# KiCad board final-memory.kicad_pcb
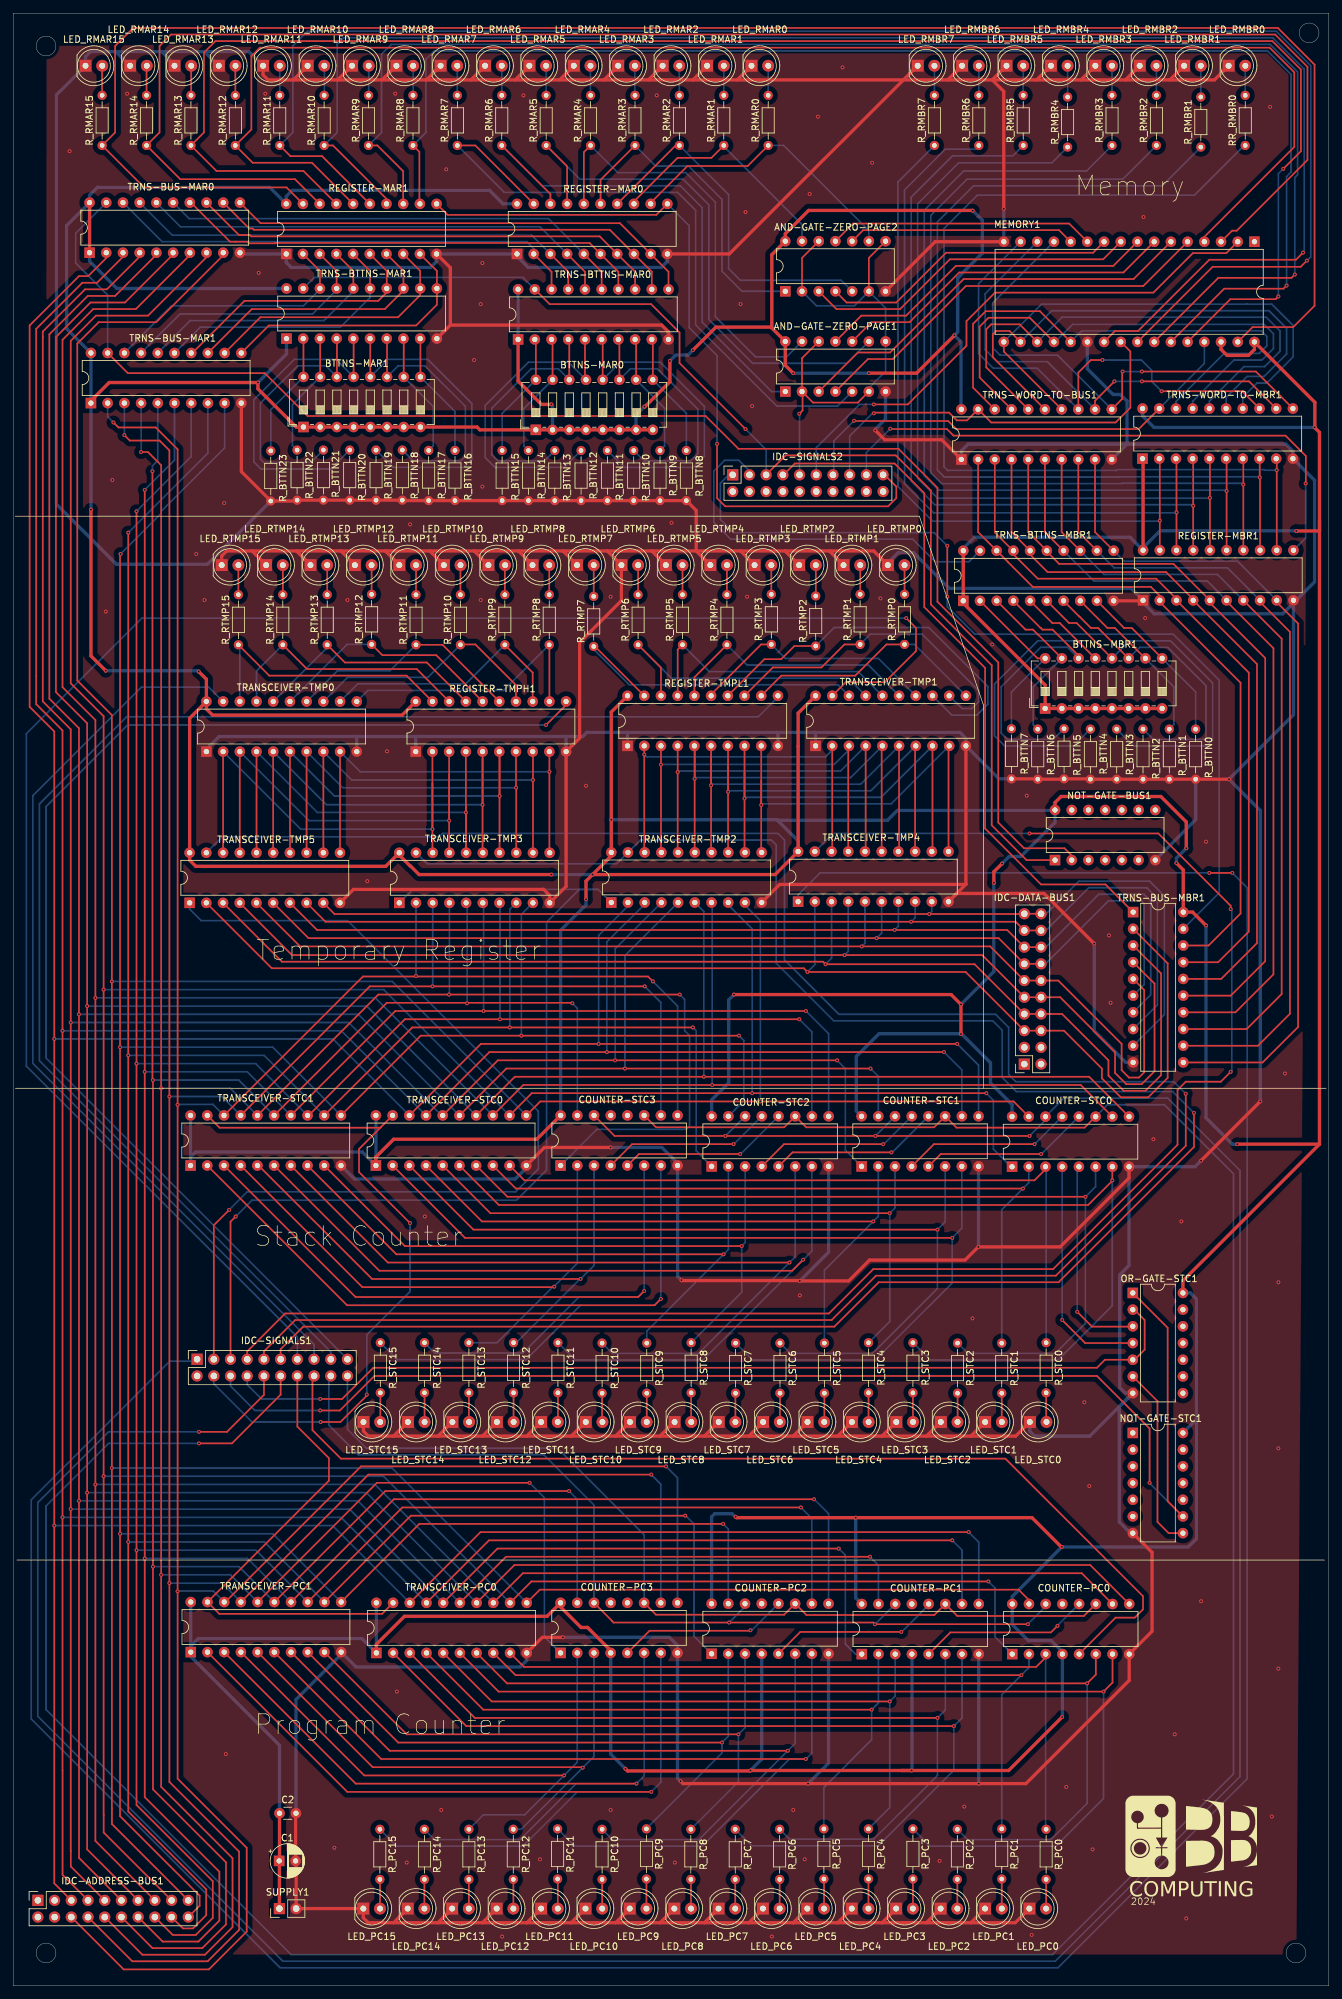
[diagram p0: board, top side]
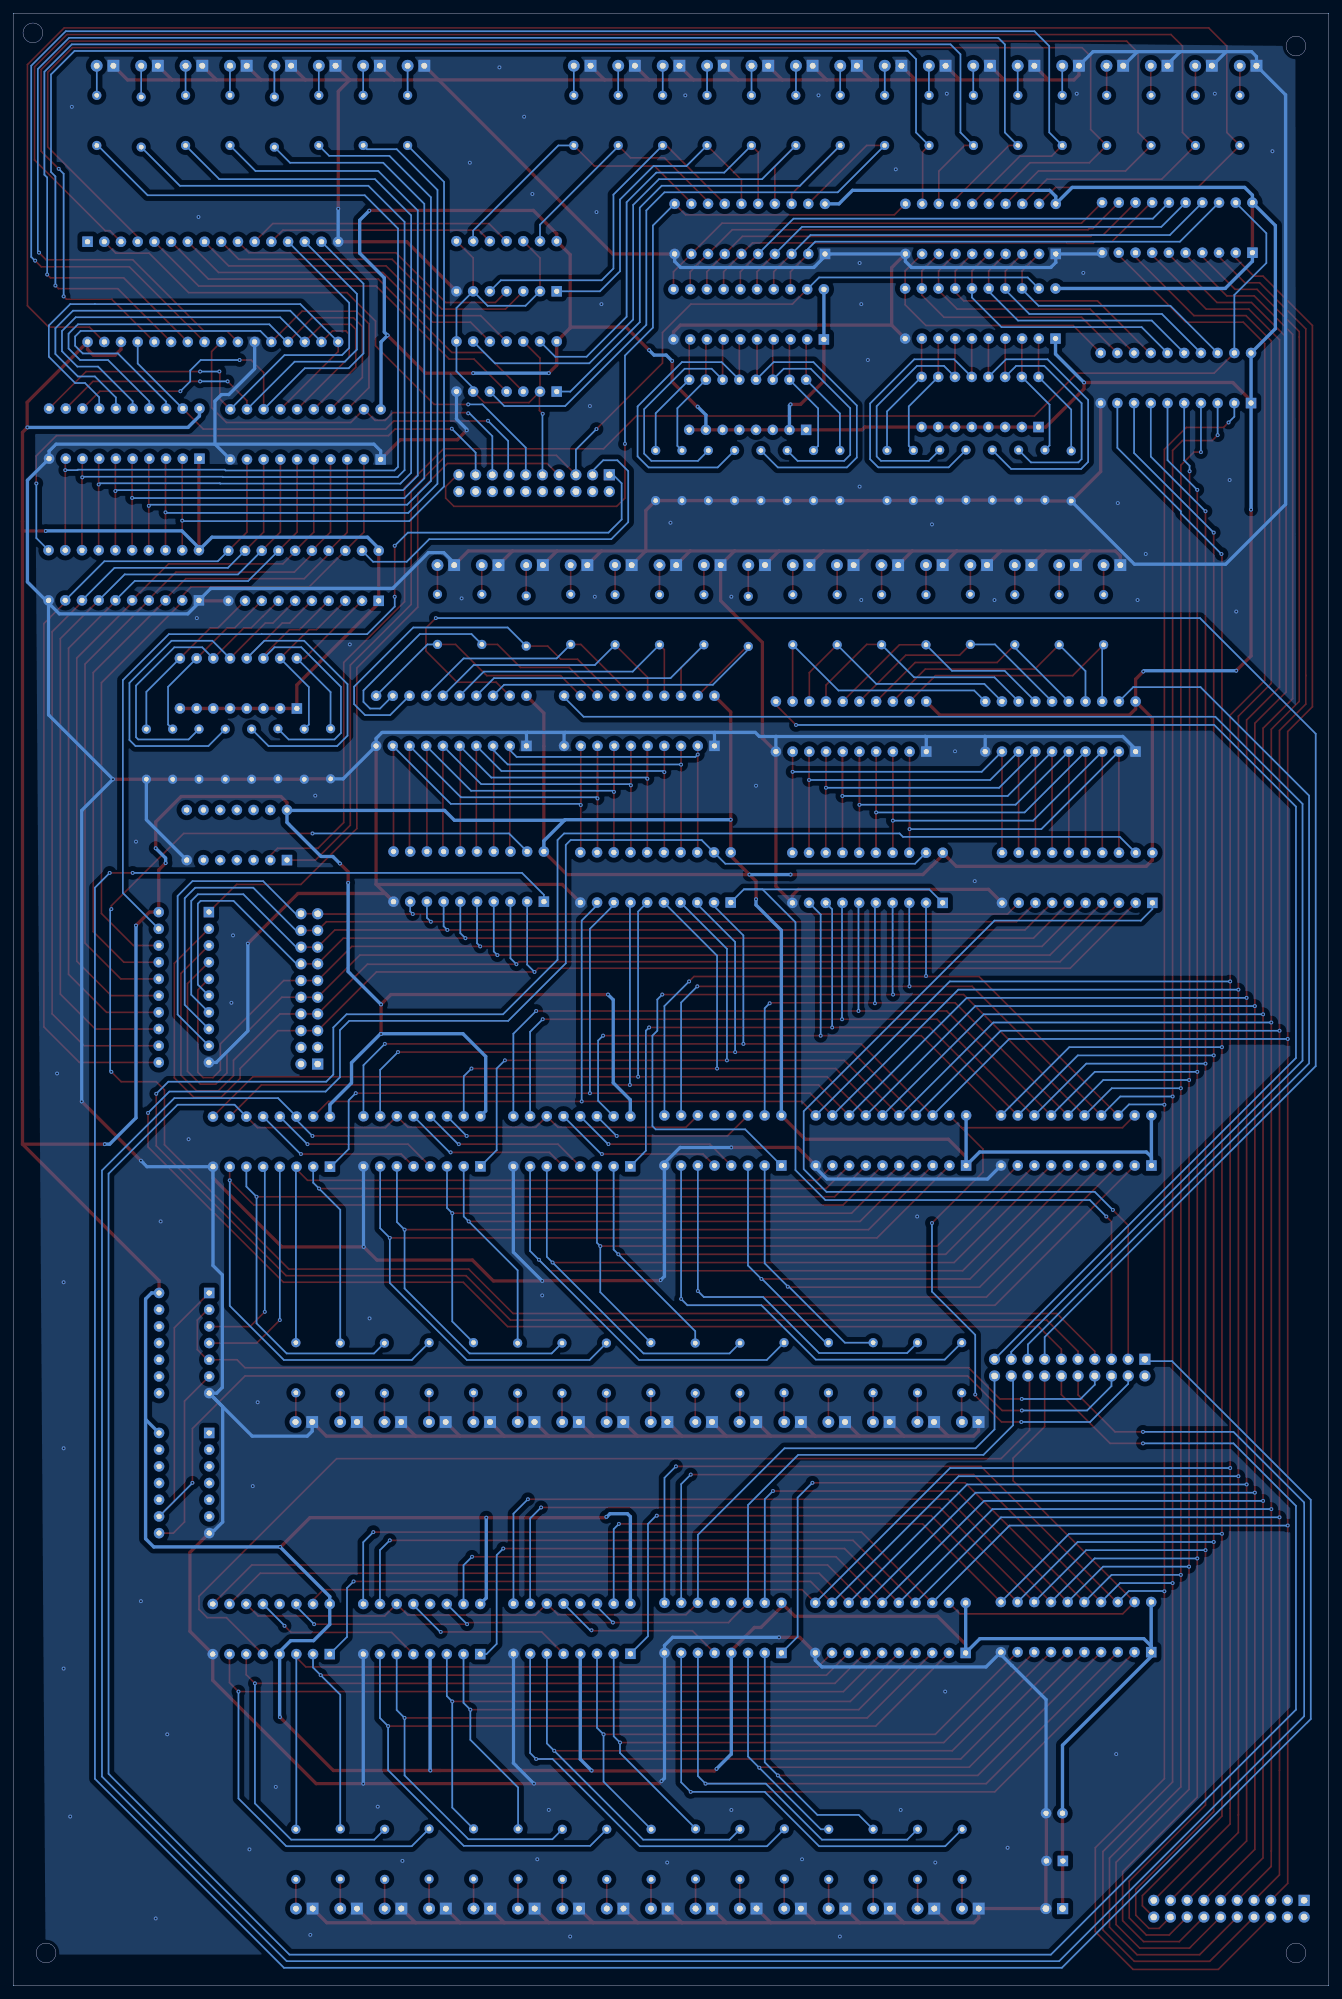
[diagram p1: board, bottom side, seen from below]

Outline 200 x 300 mm; copper layers: Top, Bottom. Coordinates in mm from the lower left corner of the outline.
Outline path: rectangle 0,300 200,0 ; circle c5,295 r1.5 ; circle c5,5 r1.5 ; circle c195,5 r1.5 ; circle c197,297 r1.5
Stack: Top 0.035mm / dielectric 1.51mm FR4 er 4.5 / Bottom 0.035mm

## Placement (name value [footprint] x y rotation side)
AND-GATE-ZERO-PAGE1  CD4081BEE4  [DIP-14_W7.62mm]  117.38 242.45 90 top
AND-GATE-ZERO-PAGE2  CD4081BEE4  [DIP-14_W7.62mm]  117.38 257.7 90 top
BTTNS-MAR0  SW_DIP_x08  [SW_DIP_SPSTx08_Slide_6.7x21.88mm_W7.62mm_P2.54mm_LowProfile]  79.46 236.63 90 top
BTTNS-MAR1  SW_DIP_x08  [SW_DIP_SPSTx08_Slide_6.7x21.88mm_W7.62mm_P2.54mm_LowProfile]  44.13 237.06 90 top
BTTNS-MBR1  SW_DIP_x08  [SW_DIP_SPSTx08_Slide_6.7x21.88mm_W7.62mm_P2.54mm_LowProfile]  156.88 194.26 90 top
C1  C_Polarized_US  [CP_Radial_D5.0mm_P2.50mm]  40.44 19 0 top
C2  C  [C_Disc_D3.0mm_W1.6mm_P2.50mm]  40.49 26.25 0 top
COUNTER-PC0  CD74HC193E  [DIP-16_W7.62mm]  151.88 50.45 90 top
COUNTER-PC1  CD74HC193E  [DIP-16_W7.62mm]  129 50.45 90 top
COUNTER-PC2  CD74HC193E  [DIP-16_W7.62mm]  106.17 50.5 90 top
COUNTER-PC3  CD74HC193E  [DIP-16_W7.62mm]  83.21 50.63 90 top
COUNTER-STC0  CD74HC193E  [DIP-16_W7.62mm]  151.84 124.57 90 top
COUNTER-STC1  CD74HC193E  [DIP-16_W7.62mm]  128.97 124.62 90 top
COUNTER-STC2  CD74HC193E  [DIP-16_W7.62mm]  106.18 124.62 90 top
COUNTER-STC3  CD74HC193E  [DIP-16_W7.62mm]  83.22 124.75 90 top
G***  LOGO  [bb-logo]  179.08 21.25 0 top
IDC-ADDRESS-BUS1  DS1013-20SSIB1-B-0  [PinSocket_2x10_P2.54mm_Vertical]  3.76 13 90 top
IDC-DATA-BUS1  DS1013-20SSIB1-B-0  [PinSocket_2x10_P2.54mm_Vertical]  153.71 140.18 180 top
IDC-SIGNALS1  DS1013-20SSIB1-B-0  [PinSocket_2x10_P2.54mm_Vertical]  27.96 95.29 90 top
IDC-SIGNALS2  DS1013-20SSIB1-B-0  [PinSocket_2x10_P2.54mm_Vertical]  109.38 229.79 90 top
LED_PC0  LED  [LED_D5.0mm_FlatTop]  154.47 11.75 0 top
LED_PC1  LED  [LED_D5.0mm_FlatTop]  147.74 11.75 0 top
LED_PC2  LED  [LED_D5.0mm_FlatTop]  140.99 11.75 0 top
LED_PC3  LED  [LED_D5.0mm_FlatTop]  134.22 11.75 0 top
LED_PC4  LED  [LED_D5.0mm_FlatTop]  127.47 11.75 0 top
LED_PC5  LED  [LED_D5.0mm_FlatTop]  120.72 11.75 0 top
LED_PC6  LED  [LED_D5.0mm_FlatTop]  113.97 11.75 0 top
LED_PC7  LED  [LED_D5.0mm_FlatTop]  107.22 11.75 0 top
LED_PC8  LED  [LED_D5.0mm_FlatTop]  100.5 11.75 0 top
LED_PC9  LED  [LED_D5.0mm_FlatTop]  93.72 11.75 0 top
LED_PC10  LED  [LED_D5.0mm_FlatTop]  87 11.75 0 top
LED_PC11  LED  [LED_D5.0mm_FlatTop]  80.25 11.75 0 top
LED_PC12  LED  [LED_D5.0mm_FlatTop]  73.5 11.75 0 top
LED_PC13  LED  [LED_D5.0mm_FlatTop]  66.73 11.75 0 top
LED_PC14  LED  [LED_D5.0mm_FlatTop]  59.98 11.75 0 top
LED_PC15  LED  [LED_D5.0mm_FlatTop]  53.23 11.75 0 top
LED_RMAR0  LED  [LED_D5.0mm_FlatTop]  112.24 292 0 top
LED_RMAR1  LED  [LED_D5.0mm_FlatTop]  105.49 292 0 top
LED_RMAR2  LED  [LED_D5.0mm_FlatTop]  98.72 292 0 top
LED_RMAR3  LED  [LED_D5.0mm_FlatTop]  91.97 292 0 top
LED_RMAR4  LED  [LED_D5.0mm_FlatTop]  85.22 292 0 top
LED_RMAR5  LED  [LED_D5.0mm_FlatTop]  78.47 292 0 top
LED_RMAR6  LED  [LED_D5.0mm_FlatTop]  71.73 292 0 top
LED_RMAR7  LED  [LED_D5.0mm_FlatTop]  64.97 292 0 top
LED_RMAR8  LED  [LED_D5.0mm_FlatTop]  58.26 292 0 top
LED_RMAR9  LED  [LED_D5.0mm_FlatTop]  51.51 292 0 top
LED_RMAR10  LED  [LED_D5.0mm_FlatTop]  44.76 292 0 top
LED_RMAR11  LED  [LED_D5.0mm_FlatTop]  37.98 292 0 top
LED_RMAR12  LED  [LED_D5.0mm_FlatTop]  31.26 292 0 top
LED_RMAR13  LED  [LED_D5.0mm_FlatTop]  24.53 292 0 top
LED_RMAR14  LED  [LED_D5.0mm_FlatTop]  17.78 292 0 top
LED_RMAR15  LED  [LED_D5.0mm_FlatTop]  11 292 0 top
LED_RMBR0  LED  [LED_D5.0mm_FlatTop]  184.77 292 0 top
LED_RMBR1  LED  [LED_D5.0mm_FlatTop]  178 292 0 top
LED_RMBR2  LED  [LED_D5.0mm_FlatTop]  171.25 292 0 top
LED_RMBR3  LED  [LED_D5.0mm_FlatTop]  164.5 292 0 top
LED_RMBR4  LED  [LED_D5.0mm_FlatTop]  157.75 292 0 top
LED_RMBR5  LED  [LED_D5.0mm_FlatTop]  151 292 0 top
LED_RMBR6  LED  [LED_D5.0mm_FlatTop]  144.25 292 0 top
LED_RMBR7  LED  [LED_D5.0mm_FlatTop]  137.5 292 0 top
LED_RTMP0  LED  [LED_D5.0mm_FlatTop]  132.96 216.06 0 top
LED_RTMP1  LED  [LED_D5.0mm_FlatTop]  126.22 216.06 0 top
LED_RTMP2  LED  [LED_D5.0mm_FlatTop]  119.47 216.06 0 top
LED_RTMP3  LED  [LED_D5.0mm_FlatTop]  112.71 216.06 0 top
LED_RTMP4  LED  [LED_D5.0mm_FlatTop]  105.97 216.06 0 top
LED_RTMP5  LED  [LED_D5.0mm_FlatTop]  99.21 216.06 0 top
LED_RTMP6  LED  [LED_D5.0mm_FlatTop]  92.46 216.06 0 top
LED_RTMP7  LED  [LED_D5.0mm_FlatTop]  85.71 216.06 0 top
LED_RTMP8  LED  [LED_D5.0mm_FlatTop]  78.95 216.06 0 top
LED_RTMP9  LED  [LED_D5.0mm_FlatTop]  72.24 216.06 0 top
LED_RTMP10  LED  [LED_D5.0mm_FlatTop]  65.47 216.06 0 top
LED_RTMP11  LED  [LED_D5.0mm_FlatTop]  58.7 216.06 0 top
LED_RTMP12  LED  [LED_D5.0mm_FlatTop]  51.95 216.06 0 top
LED_RTMP13  LED  [LED_D5.0mm_FlatTop]  45.2 216.06 0 top
LED_RTMP14  LED  [LED_D5.0mm_FlatTop]  38.45 216.06 0 top
LED_RTMP15  LED  [LED_D5.0mm_FlatTop]  31.7 216.06 0 top
LED_STC0  LED  [LED_D5.0mm_FlatTop]  154.54 85.75 0 top
LED_STC1  LED  [LED_D5.0mm_FlatTop]  147.75 85.75 0 top
LED_STC2  LED  [LED_D5.0mm_FlatTop]  141.02 85.75 0 top
LED_STC3  LED  [LED_D5.0mm_FlatTop]  134.25 85.75 0 top
LED_STC4  LED  [LED_D5.0mm_FlatTop]  127.5 85.75 0 top
LED_STC5  LED  [LED_D5.0mm_FlatTop]  120.75 85.75 0 top
LED_STC6  LED  [LED_D5.0mm_FlatTop]  114 85.75 0 top
LED_STC7  LED  [LED_D5.0mm_FlatTop]  107.25 85.75 0 top
LED_STC8  LED  [LED_D5.0mm_FlatTop]  100.54 85.75 0 top
LED_STC9  LED  [LED_D5.0mm_FlatTop]  93.77 85.75 0 top
LED_STC10  LED  [LED_D5.0mm_FlatTop]  87.04 85.75 0 top
LED_STC11  LED  [LED_D5.0mm_FlatTop]  80.25 85.75 0 top
LED_STC12  LED  [LED_D5.0mm_FlatTop]  73.54 85.75 0 top
LED_STC13  LED  [LED_D5.0mm_FlatTop]  66.77 85.75 0 top
LED_STC14  LED  [LED_D5.0mm_FlatTop]  60 85.75 0 top
LED_STC15  LED  [LED_D5.0mm_FlatTop]  53.25 85.75 0 top
MEMORY1  AS6C1008-55PCN  [DIP-32_W15.24mm]  188.69 265.24 270 top
NOT-GATE-BUS1  CD74HC04E  [DIP-14_W7.62mm]  158.38 171.2 90 top
NOT-GATE-STC1  CD74HC04E  [DIP-14_W7.62mm]  170.2 84.08 0 top
OR-GATE-STC1  CD4071BEE4  [DIP-14_W7.62mm]  170.2 105.38 0 top
R_BTTN0  R_US  [R_Axial_DIN0204_L3.6mm_D1.6mm_P7.62mm_Horizontal]  179.75 183.5 90 top
R_BTTN1  R_US  [R_Axial_DIN0204_L3.6mm_D1.6mm_P7.62mm_Horizontal]  175.75 183.5 90 top
R_BTTN2  R_US  [R_Axial_DIN0204_L3.6mm_D1.6mm_P7.62mm_Horizontal]  171.75 183.5 90 top
R_BTTN3  R_US  [R_Axial_DIN0204_L3.6mm_D1.6mm_P7.62mm_Horizontal]  167.75 183.5 90 top
R_BTTN4  R_US  [R_Axial_DIN0204_L3.6mm_D1.6mm_P7.62mm_Horizontal]  163.75 183.5 90 top
R_BTTN5  R_US  [R_Axial_DIN0204_L3.6mm_D1.6mm_P7.62mm_Horizontal]  159.75 183.56 90 top
R_BTTN6  R_US  [R_Axial_DIN0204_L3.6mm_D1.6mm_P7.62mm_Horizontal]  155.75 183.5 90 top
R_BTTN7  R_US  [R_Axial_DIN0204_L3.6mm_D1.6mm_P7.62mm_Horizontal]  151.75 183.56 90 top
R_BTTN8  R_US  [R_Axial_DIN0204_L3.6mm_D1.6mm_P7.62mm_Horizontal]  102.33 225.87 90 top
R_BTTN9  R_US  [R_Axial_DIN0204_L3.6mm_D1.6mm_P7.62mm_Horizontal]  98.33 225.87 90 top
R_BTTN10  R_US  [R_Axial_DIN0204_L3.6mm_D1.6mm_P7.62mm_Horizontal]  94.33 225.87 90 top
R_BTTN11  R_US  [R_Axial_DIN0204_L3.6mm_D1.6mm_P7.62mm_Horizontal]  90.33 225.87 90 top
R_BTTN12  R_US  [R_Axial_DIN0204_L3.6mm_D1.6mm_P7.62mm_Horizontal]  86.33 225.87 90 top
R_BTTN13  R_US  [R_Axial_DIN0204_L3.6mm_D1.6mm_P7.62mm_Horizontal]  82.33 225.87 90 top
R_BTTN14  R_US  [R_Axial_DIN0204_L3.6mm_D1.6mm_P7.62mm_Horizontal]  78.33 225.87 90 top
R_BTTN15  R_US  [R_Axial_DIN0204_L3.6mm_D1.6mm_P7.62mm_Horizontal]  74.33 225.87 90 top
R_BTTN16  R_US  [R_Axial_DIN0204_L3.6mm_D1.6mm_P7.62mm_Horizontal]  67.16 225.88 90 top
R_BTTN17  R_US  [R_Axial_DIN0204_L3.6mm_D1.6mm_P7.62mm_Horizontal]  63.16 225.88 90 top
R_BTTN18  R_US  [R_Axial_DIN0204_L3.6mm_D1.6mm_P7.62mm_Horizontal]  59.16 225.94 90 top
R_BTTN19  R_US  [R_Axial_DIN0204_L3.6mm_D1.6mm_P7.62mm_Horizontal]  55.16 225.94 90 top
R_BTTN20  R_US  [R_Axial_DIN0204_L3.6mm_D1.6mm_P7.62mm_Horizontal]  51.16 225.94 90 top
R_BTTN21  R_US  [R_Axial_DIN0204_L3.6mm_D1.6mm_P7.62mm_Horizontal]  47.16 225.94 90 top
R_BTTN22  R_US  [R_Axial_DIN0204_L3.6mm_D1.6mm_P7.62mm_Horizontal]  43.16 225.94 90 top
R_BTTN23  R_US  [R_Axial_DIN0204_L3.6mm_D1.6mm_P7.62mm_Horizontal]  39.16 225.81 90 top
R_PC0  R_US  [R_Axial_DIN0204_L3.6mm_D1.6mm_P7.62mm_Horizontal]  157.03 23.81 270 top
R_PC1  R_US  [R_Axial_DIN0204_L3.6mm_D1.6mm_P7.62mm_Horizontal]  150.28 23.87 270 top
R_PC2  R_US  [R_Axial_DIN0204_L3.6mm_D1.6mm_P7.62mm_Horizontal]  143.53 23.81 270 top
R_PC3  R_US  [R_Axial_DIN0204_L3.6mm_D1.6mm_P7.62mm_Horizontal]  136.78 23.87 270 top
R_PC4  R_US  [R_Axial_DIN0204_L3.6mm_D1.6mm_P7.62mm_Horizontal]  130.02 23.87 270 top
R_PC5  R_US  [R_Axial_DIN0204_L3.6mm_D1.6mm_P7.62mm_Horizontal]  123.24 23.87 270 top
R_PC6  R_US  [R_Axial_DIN0204_L3.6mm_D1.6mm_P7.62mm_Horizontal]  116.52 23.81 270 top
R_PC7  R_US  [R_Axial_DIN0204_L3.6mm_D1.6mm_P7.62mm_Horizontal]  109.77 23.81 270 top
R_PC8  R_US  [R_Axial_DIN0204_L3.6mm_D1.6mm_P7.62mm_Horizontal]  103.02 23.81 270 top
R_PC9  R_US  [R_Axial_DIN0204_L3.6mm_D1.6mm_P7.62mm_Horizontal]  96.27 23.87 270 top
R_PC10  R_US  [R_Axial_DIN0204_L3.6mm_D1.6mm_P7.62mm_Horizontal]  89.53 23.81 270 top
R_PC11  R_US  [R_Axial_DIN0204_L3.6mm_D1.6mm_P7.62mm_Horizontal]  82.77 23.87 270 top
R_PC12  R_US  [R_Axial_DIN0204_L3.6mm_D1.6mm_P7.62mm_Horizontal]  76.03 23.81 270 top
R_PC13  R_US  [R_Axial_DIN0204_L3.6mm_D1.6mm_P7.62mm_Horizontal]  69.28 23.81 270 top
R_PC14  R_US  [R_Axial_DIN0204_L3.6mm_D1.6mm_P7.62mm_Horizontal]  62.52 23.81 270 top
R_PC15  R_US  [R_Axial_DIN0204_L3.6mm_D1.6mm_P7.62mm_Horizontal]  55.74 23.81 270 top
R_RMAR0  R_US  [R_Axial_DIN0204_L3.6mm_D1.6mm_P7.62mm_Horizontal]  114.78 279.88 90 top
R_RMAR1  R_US  [R_Axial_DIN0204_L3.6mm_D1.6mm_P7.62mm_Horizontal]  108.03 279.88 90 top
R_RMAR2  R_US  [R_Axial_DIN0204_L3.6mm_D1.6mm_P7.62mm_Horizontal]  101.28 279.88 90 top
R_RMAR3  R_US  [R_Axial_DIN0204_L3.6mm_D1.6mm_P7.62mm_Horizontal]  94.53 279.88 90 top
R_RMAR4  R_US  [R_Axial_DIN0204_L3.6mm_D1.6mm_P7.62mm_Horizontal]  87.78 279.88 90 top
R_RMAR5  R_US  [R_Axial_DIN0204_L3.6mm_D1.6mm_P7.62mm_Horizontal]  81.03 279.88 90 top
R_RMAR6  R_US  [R_Axial_DIN0204_L3.6mm_D1.6mm_P7.62mm_Horizontal]  74.28 279.88 90 top
R_RMAR7  R_US  [R_Axial_DIN0204_L3.6mm_D1.6mm_P7.62mm_Horizontal]  67.53 279.88 90 top
R_RMAR8  R_US  [R_Axial_DIN0204_L3.6mm_D1.6mm_P7.62mm_Horizontal]  60.78 279.88 90 top
R_RMAR9  R_US  [R_Axial_DIN0204_L3.6mm_D1.6mm_P7.62mm_Horizontal]  54.03 279.88 90 top
R_RMAR10  R_US  [R_Axial_DIN0204_L3.6mm_D1.6mm_P7.62mm_Horizontal]  47.28 279.88 90 top
R_RMAR11  R_US  [R_Axial_DIN0204_L3.6mm_D1.6mm_P7.62mm_Horizontal]  40.53 279.88 90 top
R_RMAR12  R_US  [R_Axial_DIN0204_L3.6mm_D1.6mm_P7.62mm_Horizontal]  33.78 279.88 90 top
R_RMAR13  R_US  [R_Axial_DIN0204_L3.6mm_D1.6mm_P7.62mm_Horizontal]  27.03 279.88 90 top
R_RMAR14  R_US  [R_Axial_DIN0204_L3.6mm_D1.6mm_P7.62mm_Horizontal]  20.28 279.88 90 top
R_RMAR15  R_US  [R_Axial_DIN0204_L3.6mm_D1.6mm_P7.62mm_Horizontal]  13.53 279.88 90 top
R_RMBR1  R_US  [R_Axial_DIN0204_L3.6mm_D1.6mm_P7.62mm_Horizontal]  180.54 279.63 90 top
R_RMBR2  R_US  [R_Axial_DIN0204_L3.6mm_D1.6mm_P7.62mm_Horizontal]  173.79 279.88 90 top
R_RMBR3  R_US  [R_Axial_DIN0204_L3.6mm_D1.6mm_P7.62mm_Horizontal]  167.04 279.88 90 top
R_RMBR4  R_US  [R_Axial_DIN0204_L3.6mm_D1.6mm_P7.62mm_Horizontal]  160.29 279.63 90 top
R_RMBR5  R_US  [R_Axial_DIN0204_L3.6mm_D1.6mm_P7.62mm_Horizontal]  153.54 279.88 90 top
R_RMBR6  R_US  [R_Axial_DIN0204_L3.6mm_D1.6mm_P7.62mm_Horizontal]  146.79 279.88 90 top
R_RMBR7  R_US  [R_Axial_DIN0204_L3.6mm_D1.6mm_P7.62mm_Horizontal]  140.04 279.88 90 top
R_RTMP0  R_US  [R_Axial_DIN0204_L3.6mm_D1.6mm_P7.62mm_Horizontal]  135.5 204 90 top
R_RTMP1  R_US  [R_Axial_DIN0204_L3.6mm_D1.6mm_P7.62mm_Horizontal]  128.75 204 90 top
R_RTMP2  R_US  [R_Axial_DIN0204_L3.6mm_D1.6mm_P7.62mm_Horizontal]  122 203.75 90 top
R_RTMP3  R_US  [R_Axial_DIN0204_L3.6mm_D1.6mm_P7.62mm_Horizontal]  115.25 204 90 top
R_RTMP4  R_US  [R_Axial_DIN0204_L3.6mm_D1.6mm_P7.62mm_Horizontal]  108.5 203.94 90 top
R_RTMP5  R_US  [R_Axial_DIN0204_L3.6mm_D1.6mm_P7.62mm_Horizontal]  101.75 203.94 90 top
R_RTMP6  R_US  [R_Axial_DIN0204_L3.6mm_D1.6mm_P7.62mm_Horizontal]  95 203.94 90 top
R_RTMP7  R_US  [R_Axial_DIN0204_L3.6mm_D1.6mm_P7.62mm_Horizontal]  88.25 203.69 90 top
R_RTMP8  R_US  [R_Axial_DIN0204_L3.6mm_D1.6mm_P7.62mm_Horizontal]  81.49 203.94 90 top
R_RTMP9  R_US  [R_Axial_DIN0204_L3.6mm_D1.6mm_P7.62mm_Horizontal]  74.74 203.94 90 top
R_RTMP10  R_US  [R_Axial_DIN0204_L3.6mm_D1.6mm_P7.62mm_Horizontal]  67.99 203.94 90 top
R_RTMP11  R_US  [R_Axial_DIN0204_L3.6mm_D1.6mm_P7.62mm_Horizontal]  61.24 203.94 90 top
R_RTMP12  R_US  [R_Axial_DIN0204_L3.6mm_D1.6mm_P7.62mm_Horizontal]  54.49 204 90 top
R_RTMP13  R_US  [R_Axial_DIN0204_L3.6mm_D1.6mm_P7.62mm_Horizontal]  47.74 203.94 90 top
R_RTMP14  R_US  [R_Axial_DIN0204_L3.6mm_D1.6mm_P7.62mm_Horizontal]  40.99 203.94 90 top
R_RTMP15  R_US  [R_Axial_DIN0204_L3.6mm_D1.6mm_P7.62mm_Horizontal]  34.24 203.94 90 top
R_STC0  R_US  [R_Axial_DIN0204_L3.6mm_D1.6mm_P7.62mm_Horizontal]  157.03 97.81 270 top
R_STC1  R_US  [R_Axial_DIN0204_L3.6mm_D1.6mm_P7.62mm_Horizontal]  150.28 97.75 270 top
R_STC2  R_US  [R_Axial_DIN0204_L3.6mm_D1.6mm_P7.62mm_Horizontal]  143.56 97.75 270 top
R_STC3  R_US  [R_Axial_DIN0204_L3.6mm_D1.6mm_P7.62mm_Horizontal]  136.78 97.81 270 top
R_STC4  R_US  [R_Axial_DIN0204_L3.6mm_D1.6mm_P7.62mm_Horizontal]  130.03 97.81 270 top
R_STC5  R_US  [R_Axial_DIN0204_L3.6mm_D1.6mm_P7.62mm_Horizontal]  123.31 97.75 270 top
R_STC6  R_US  [R_Axial_DIN0204_L3.6mm_D1.6mm_P7.62mm_Horizontal]  116.56 97.75 270 top
R_STC7  R_US  [R_Axial_DIN0204_L3.6mm_D1.6mm_P7.62mm_Horizontal]  109.81 97.75 270 top
R_STC8  R_US  [R_Axial_DIN0204_L3.6mm_D1.6mm_P7.62mm_Horizontal]  103.06 97.81 270 top
R_STC9  R_US  [R_Axial_DIN0204_L3.6mm_D1.6mm_P7.62mm_Horizontal]  96.31 97.75 270 top
R_STC10  R_US  [R_Axial_DIN0204_L3.6mm_D1.6mm_P7.62mm_Horizontal]  89.53 97.75 270 top
R_STC11  R_US  [R_Axial_DIN0204_L3.6mm_D1.6mm_P7.62mm_Horizontal]  82.81 97.81 270 top
R_STC12  R_US  [R_Axial_DIN0204_L3.6mm_D1.6mm_P7.62mm_Horizontal]  76.06 97.81 270 top
R_STC13  R_US  [R_Axial_DIN0204_L3.6mm_D1.6mm_P7.62mm_Horizontal]  69.28 97.81 270 top
R_STC14  R_US  [R_Axial_DIN0204_L3.6mm_D1.6mm_P7.62mm_Horizontal]  62.53 97.81 270 top
R_STC15  R_US  [R_Axial_DIN0204_L3.6mm_D1.6mm_P7.62mm_Horizontal]  55.81 97.81 270 top
REGISTER-MAR0  SN74HC574N  [DIP-20_W7.62mm]  76.59 263.38 90 top
REGISTER-MAR1  SN74HC574N  [DIP-20_W7.62mm]  41.51 263.38 90 top
REGISTER-MBR1  SN74HC574N  [DIP-20_W7.62mm]  171.76 210.7 90 top
REGISTER-TMPH1  SN74HC574N  [DIP-20_W7.62mm]  61.2 187.7 90 top
REGISTER-TMPL1  SN74HC574N  [DIP-20_W7.62mm]  93.4 188.57 90 top
RR_RMBR0  R_US  [R_Axial_DIN0204_L3.6mm_D1.6mm_P7.62mm_Horizontal]  187.29 279.88 90 top
SUPPLY1  CONN-1x2  [PinHeader_1x02_P2.54mm_Vertical]  40.48 11.75 90 top
TRANSCEIVER-PC0  SN74AC245N  [DIP-20_W7.62mm]  55.21 50.63 90 top
TRANSCEIVER-PC1  SN74AC245N  [DIP-20_W7.62mm]  27 50.75 90 top
TRANSCEIVER-STC0  SN74AC245N  [DIP-20_W7.62mm]  55.14 124.75 90 top
TRANSCEIVER-STC1  SN74AC245N  [DIP-20_W7.62mm]  26.97 124.75 90 top
TRANSCEIVER-TMP0  SN74AC245N  [DIP-20_W7.62mm]  29.38 187.7 90 top
TRANSCEIVER-TMP1  SN74AC245N  [DIP-20_W7.62mm]  121.97 188.57 90 top
TRANSCEIVER-TMP2  SN74AC245N  [DIP-20_W7.62mm]  90.92 164.75 90 top
TRANSCEIVER-TMP3  SN74AC245N  [DIP-20_W7.62mm]  58.7 164.7 90 top
TRANSCEIVER-TMP4  SN74AC245N  [DIP-20_W7.62mm]  119.32 164.88 90 top
TRANSCEIVER-TMP5  SN74AC245N  [DIP-20_W7.62mm]  26.83 164.7 90 top
TRNS-BTTNS-MAR0  SN74AC245N  [DIP-20_W7.62mm]  76.76 250.38 90 top
TRNS-BTTNS-MAR1  SN74AC245N  [DIP-20_W7.62mm]  41.55 250.51 90 top
TRNS-BTTNS-MBR1  SN74AC245N  [DIP-20_W7.62mm]  144.43 210.63 90 top
TRNS-BUS-MAR0  SN74AC245N  [DIP-20_W7.62mm]  11.62 263.57 90 top
TRNS-BUS-MAR1  SN74AC245N  [DIP-20_W7.62mm]  11.83 240.7 90 top
TRNS-BUS-MBR1  SN74AC245N  [DIP-20_W7.62mm]  170.25 163.29 0 top
TRNS-WORD-TO-BUS1  SN74AC245N  [DIP-20_W7.62mm]  144.14 232.13 90 top
TRNS-WORD-TO-MBR1  SN74AC245N  [DIP-20_W7.62mm]  171.68 232.25 90 top

## Library data of the parts
AND-GATE-ZERO-PAGE1 AND-GATE-ZERO-PAGE2 = -: Datasheet: https://datasheet.datasheetarchive.com/originals/distributors/Datasheets-SFU2/DSASFU100028830.pdf; Description: AND Gate Quad 2-IN CMOS 14-Pin PDIP; Height: 5.08; Mouser Part Number: 595-CD4081BEE4; Mouser Price/Stock: https://www.mouser.co.uk/ProductDetail/Texas-Instruments/CD4081BEE4?qs=HTr%252BoA4jRiloxIEWd2QErQ%3D%3D; Manufacturer_Name: Texas Instruments
BTTNS-MAR0 BTTNS-MAR1 BTTNS-MBR1 = -: Description: 8x DIP Switch, Single Pole Single Throw (SPST) switch, small symbol; ki_fp_filters: SW?DIP?x8*
C1 = -: Description: Polarized capacitor, US symbol; ki_fp_filters: CP_*
C2 = -: Description: Unpolarized capacitor; ki_fp_filters: C_*
COUNTER-PC0-COUNTER-PC3 COUNTER-STC0-COUNTER-STC3 = -: Datasheet: http://www.ti.com/lit/ds/symlink/cd74hc192.pdf; Description: Counter Single 4-Bit Sync Binary UP/Down CD74HC193E, 4-stage Binary Counter Up/Down Counter, Bi-Directional, 2  6 V, 16-Pin PDIP; Height: 5.08; Mouser Part Number: 595-CD74HC193E; Mouser Price/Stock: https://www.mouser.co.uk/ProductDetail/Texas-Instruments/CD74HC193E/?qs=YxwvVplHM%2FnIFxccYhgPNA%3D%3D; Manufacturer_Name: Texas Instruments
IDC-ADDRESS-BUS1 IDC-DATA-BUS1 IDC-SIGNALS1 IDC-SIGNALS2 = -: Datasheet: https://www.tme.eu/Document/e9117e1c80532ff2c20cc520b4694ed9/DS1013.pdf; Description: Socket; IDC; male; PIN: 20; straight; THT; gold-plated; 2.54mm; Height: 9.55; Manufacturer_Name: Connfly
LED_PC0-LED_PC15 LED_RMAR0-LED_RMAR15 LED_RMBR0-LED_RMBR7 LED_RTMP0-LED_RTMP15 LED_STC0-LED_STC15 = -: Description: Light emitting diode; ki_fp_filters: LED* LED_SMD:* LED_THT:*
MEMORY1 = -: Datasheet: http://componentsearchengine.com/Datasheets/1/AS6C1008-55PCN.pdf; Description: CMOS SRAM; Mouser Part Number: 913-AS6C1008-55PCN; Mouser Price/Stock: https://www.mouser.co.uk/ProductDetail/Alliance-Memory/AS6C1008-55PCN?qs=E5c5%252Bmu3i39qb4Qta5D2qg%3D%3D; Manufacturer_Name: Alliance Memory
NOT-GATE-BUS1 NOT-GATE-STC1 = -: Datasheet: http://www.ti.com/lit/ds/symlink/cd74hc04.pdf; Description: High Speed CMOS Logic Hex Inverters; Height: 5.08; Mouser Part Number: 595-CD74HC04E; Mouser Price/Stock: https://www.mouser.co.uk/ProductDetail/Texas-Instruments/CD74HC04E?qs=st7IWvlL5%2FgJ10Ud3pnBSA%3D%3D; Manufacturer_Name: Texas Instruments
OR-GATE-STC1 = -: Datasheet: https://www.arrow.com/en/products/cd4071bee4/texas-instruments; Description: OR Gate 4-Element 2-IN CMOS 14-Pin PDIP Tube; Height: 5.08; Mouser Part Number: 595-CD4071BEE4; Mouser Price/Stock: https://www.mouser.co.uk/ProductDetail/Texas-Instruments/CD4071BEE4?qs=HTr%252BoA4jRiljiW0C8Y67gw%3D%3D; Manufacturer_Name: Texas Instruments
R_BTTN0-R_BTTN23 R_PC0-R_PC15 R_RMAR0-R_RMAR15 R_RMBR1-R_RMBR7 R_RTMP0-R_RTMP15 R_STC0-R_STC15 RR_RMBR0 = -: Description: Resistor, US symbol; ki_fp_filters: R_*
REGISTER-MAR0 REGISTER-MAR1 REGISTER-MBR1 REGISTER-TMPH1 REGISTER-TMPL1 = -: Datasheet: http://componentsearchengine.com/Datasheets/1/SN74HC574N.pdf; Description: OCTAL EDGE-TRIGGERED D-TYPE FLIP-FLOPS WITH 3-STATE OUTPUTS; Height: 5.08; Mouser Part Number: 595-SN74HC574N; Mouser Price/Stock: https://www.mouser.co.uk/ProductDetail/Texas-Instruments/SN74HC574N?qs=7KMwW2o1%252BmTGh61cX6rAtQ%3D%3D; Manufacturer_Name: Texas Instruments
SUPPLY1 = -: Description: Generic connector, single row, 01x02, script generated (kicad-library-utils/schlib/autogen/connector/); ki_fp_filters: Connector*:*_1x??_*
TRANSCEIVER-PC0 TRANSCEIVER-PC1 TRANSCEIVER-STC0 TRANSCEIVER-STC1 TRANSCEIVER-TMP0-TRANSCEIVER-TMP5 TRNS-BTTNS-MAR0 TRNS-BTTNS-MAR1 TRNS-BTTNS-MBR1 TRNS-BUS-MAR0 TRNS-BUS-MAR1 TRNS-BUS-MBR1 TRNS-WORD-TO-BUS1 TRNS-WORD-TO-MBR1 = -: Datasheet: http://www.ti.com/lit/gpn/sn74ac245; Description: Octal Bus Transceivers With 3-State Outputs; Height: 5.08; Mouser Part Number: 595-SN74AC245N; Mouser Price/Stock: https://www.mouser.co.uk/ProductDetail/Texas-Instruments/SN74AC245N?qs=L5CvrNUdZiqC%2FBoZzkIB7Q%3D%3D; Manufacturer_Name: Texas Instruments

## Footprints (pads in the part's own frame, mm; a bottom-side part is the same pattern mirrored in y, then rotated)
C_Disc_D3.0mm_W1.6mm_P2.50mm
  round 1.6 hole 0.8: 1(0,0) 2(2.5,0)
CP_Radial_D5.0mm_P2.50mm
  rect 1.6x1.6 hole 0.8: 1(0,0)
  round 1.6 hole 0.8: 2(2.5,0)
DIP-14_W7.62mm
  rect 1.6x1.6 hole 0.8: 1(0,0)
  oval 1.6x1.6 hole 0.8: 2(0,-2.54) 3(0,-5.08) 4(0,-7.62) 5(0,-10.16) 6(0,-12.7) 7(0,-15.24) 8(7.62,-15.24) 9(7.62,-12.7) 10(7.62,-10.16) 11(7.62,-7.62) 12(7.62,-5.08) 13(7.62,-2.54) 14(7.62,0)
DIP-16_W7.62mm
  rect 1.6x1.6 hole 0.8: 1(0,0)
  oval 1.6x1.6 hole 0.8: 2(0,-2.54) 3(0,-5.08) 4(0,-7.62) 5(0,-10.16) 6(0,-12.7) 7(0,-15.24) 8(0,-17.78) 9(7.62,-17.78) 10(7.62,-15.24) 11(7.62,-12.7) 12(7.62,-10.16) 13(7.62,-7.62) 14(7.62,-5.08) 15(7.62,-2.54) 16(7.62,0)
DIP-20_W7.62mm
  rect 1.6x1.6 hole 0.8: 1(0,0)
  oval 1.6x1.6 hole 0.8: 2(0,-2.54) 3(0,-5.08) 4(0,-7.62) 5(0,-10.16) 6(0,-12.7) 7(0,-15.24) 8(0,-17.78) 9(0,-20.32) 10(0,-22.86) 11(7.62,-22.86) 12(7.62,-20.32) 13(7.62,-17.78) 14(7.62,-15.24) 15(7.62,-12.7) 16(7.62,-10.16) 17(7.62,-7.62) 18(7.62,-5.08) 19(7.62,-2.54) 20(7.62,0)
DIP-32_W15.24mm
  rect 1.6x1.6 hole 0.8: 1(0,0)
  oval 1.6x1.6 hole 0.8: 2(0,-2.54) 3(0,-5.08) 4(0,-7.62) 5(0,-10.16) 6(0,-12.7) 7(0,-15.24) 8(0,-17.78) 9(0,-20.32) 10(0,-22.86) 11(0,-25.4) 12(0,-27.94) 13(0,-30.48) 14(0,-33.02) 15(0,-35.56) 16(0,-38.1) 17(15.24,-38.1) 18(15.24,-35.56) 19(15.24,-33.02) 20(15.24,-30.48) 21(15.24,-27.94) 22(15.24,-25.4) 23(15.24,-22.86) 24(15.24,-20.32) 25(15.24,-17.78) 26(15.24,-15.24) 27(15.24,-12.7) 28(15.24,-10.16) 29(15.24,-7.62) 30(15.24,-5.08) 31(15.24,-2.54) 32(15.24,0)
LED_D5.0mm_FlatTop
  rect 1.8x1.8 hole 0.9: 1(0,0)
  round 1.8 hole 0.9: 2(2.54,0)
PinHeader_1x02_P2.54mm_Vertical
  rect 1.7x1.7 hole 1: 1(0,0)
  oval 1.7x1.7 hole 1: 2(0,-2.54)
PinSocket_2x10_P2.54mm_Vertical
  rect 1.7x1.7 hole 1: 1(0,0)
  oval 1.7x1.7 hole 1: 2(-2.54,0) 3(0,-2.54) 4(-2.54,-2.54) 5(0,-5.08) 6(-2.54,-5.08) 7(0,-7.62) 8(-2.54,-7.62) 9(0,-10.16) 10(-2.54,-10.16) 11(0,-12.7) 12(-2.54,-12.7) 13(0,-15.24) 14(-2.54,-15.24) 15(0,-17.78) 16(-2.54,-17.78) 17(0,-20.32) 18(-2.54,-20.32) 19(0,-22.86) 20(-2.54,-22.86)
R_Axial_DIN0204_L3.6mm_D1.6mm_P7.62mm_Horizontal
  round 1.4 hole 0.7: 1(0,0)
  oval 1.4x1.4 hole 0.7: 2(7.62,0)
SW_DIP_SPSTx08_Slide_6.7x21.88mm_W7.62mm_P2.54mm_LowProfile
  rect 1.6x1.6 hole 0.8: 1(0,0)
  oval 1.6x1.6 hole 0.8: 2(0,-2.54) 3(0,-5.08) 4(0,-7.62) 5(0,-10.16) 6(0,-12.7) 7(0,-15.24) 8(0,-17.78) 9(7.62,-17.78) 10(7.62,-15.24) 11(7.62,-12.7) 12(7.62,-10.16) 13(7.62,-7.62) 14(7.62,-5.08) 15(7.62,-2.54) 16(7.62,0)
